# KiCad board register-motherboard.kicad_pcb (continued)
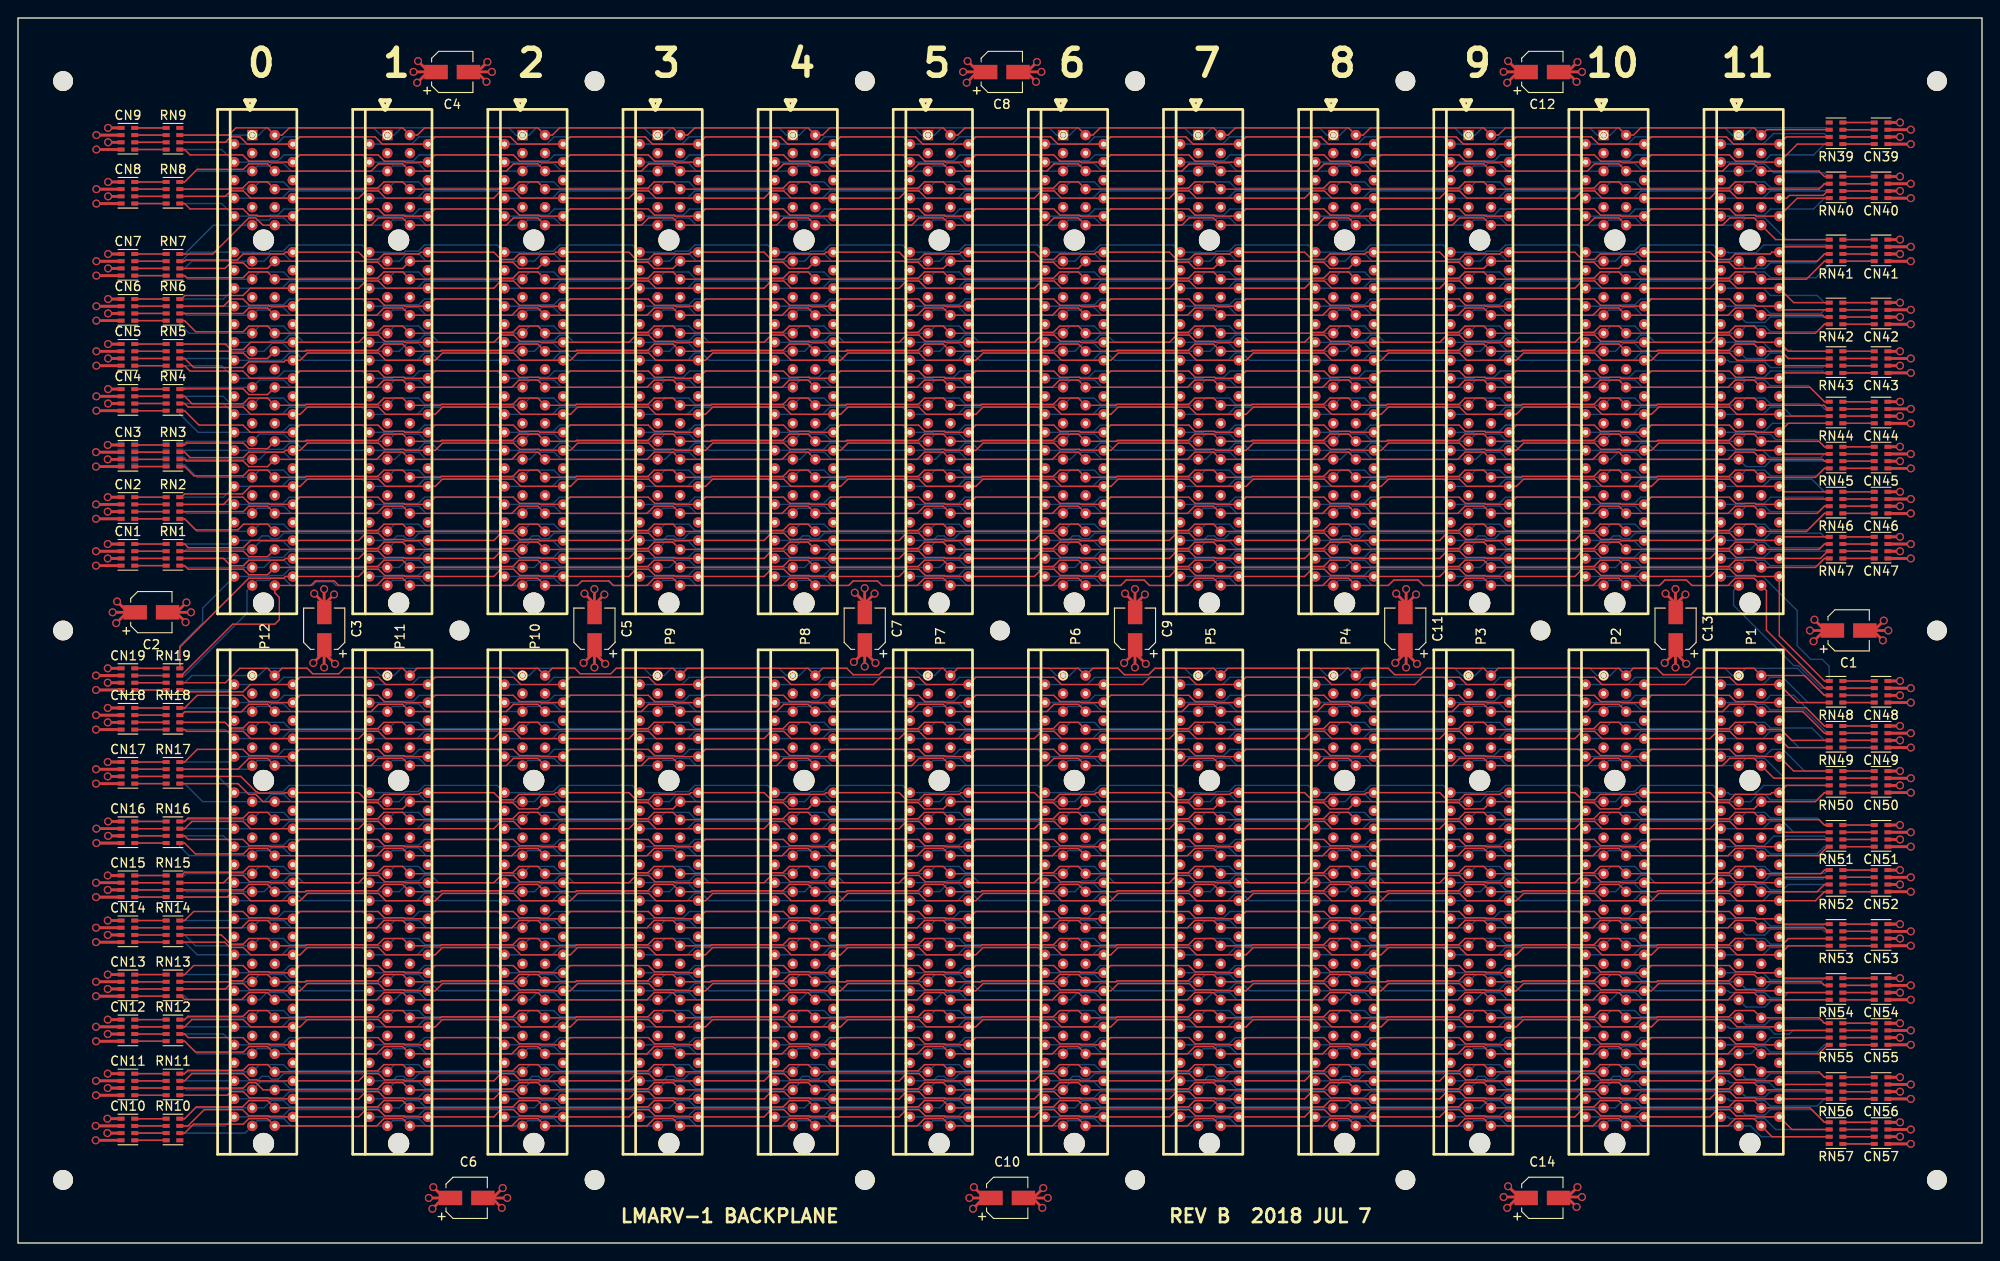
[diagram p0: board, top side]
## Routing (per net, layer and track width the routed paths; a pad name or vN(x,y) marks a point on that pad's centre or on a via; arc(x,y) is an arc through that point) (continued)
/rs2[1]: length 191.2
  Bottom w0.152: RN75.8 200.51,18.4 200.1,18.8 194.49,18.8 193.89,18.2 191.8,18.2 P1.92 188.43,19 188.32,19.11 180.16,19.11 179.47,19.8 176.8,19.8 P2.92 173.43,19 173.32,19.11 165.16,19.11 164.47,19.8 161.8,19.8 P3.92 158.43,19 158.32,19.11 150.16,19.11 149.47,19.8 146.8,19.8 P4.92 143.43,19 143.32,19.11 135.16,19.11 134.47,19.8 131.8,19.8 P5.92 128.43,19 128.32,19.11 120.16,19.11 119.47,19.8 116.8,19.8 P6.92 113.43,19 113.32,19.11 105.16,19.11 104.47,19.8 101.8,19.8 P7.92 98.43,19 98.32,19.11 90.16,19.11 89.47,19.8 86.8,19.8 P8.92 83.43,19 83.32,19.11 75.16,19.11 74.47,19.8 71.8,19.8 P9.92 68.43,19 68.32,19.11 60.16,19.11 59.47,19.8 56.8,19.8 P10.92 53.43,19 53.32,19.11 45.16,19.11 44.47,19.8 41.8,19.8 P11.92 38.43,19 38.32,19.11 30.16,19.11 29.47,19.8 26.8,19.8 P12.92 18.69,19 18.49,18.8 RN30.5
/rs2[2]: length 191.9
  Bottom w0.152: RN74.5 200.51,22 199.7,21.2 194.49,21.2 193.89,21.8 193.11,21.8 192.31,21 P1.90 180.31,21 179.51,21.8 178.11,21.8 177.89,21.57 176.57,21.57 P2.90 165.31,21 164.51,21.8 163.11,21.8 162.89,21.57 161.57,21.57 P3.90 150.31,21 149.51,21.8 148.11,21.8 147.89,21.57 146.57,21.57 P4.90 135.31,21 134.51,21.8 133.11,21.8 132.89,21.57 131.57,21.57 P5.90 120.31,21 119.51,21.8 118.11,21.8 117.89,21.57 116.57,21.57 P6.90 105.31,21 104.51,21.8 103.11,21.8 102.89,21.57 101.57,21.57 P7.90 90.31,21 89.51,21.8 88.11,21.8 87.89,21.57 86.57,21.57 P8.90 75.31,21 74.51,21.8 73.11,21.8 72.89,21.57 71.57,21.57 P9.90 60.31,21 59.51,21.8 58.11,21.8 57.89,21.57 56.57,21.57 P10.90 45.31,21 44.51,21.8 43.11,21.8 42.89,21.57 41.57,21.57 P11.90 30.31,21 29.51,21.8 28.11,21.8 27.89,21.57 26.57,21.57 P12.90 19.89,21 18.49,22.4 RN31.8
/rs2[3]: length 191.2
  Bottom w0.152: RN31.7 22.8,23.2 P12.89 27.88,22 27.99,22.11 29.42,22.11 30.11,22.8 38.2,22.8 P11.89 42.88,22 42.99,22.11 44.42,22.11 45.11,22.8 53.2,22.8 P10.89 57.88,22 57.99,22.11 59.42,22.11 60.11,22.8 68.2,22.8 P9.89 72.88,22 72.99,22.11 74.42,22.11 75.11,22.8 83.2,22.8 P8.89 87.88,22 87.99,22.11 89.42,22.11 90.11,22.8 98.2,22.8 P7.89 102.88,22 102.99,22.11 104.42,22.11 105.11,22.8 113.2,22.8 P6.89 117.88,22 117.99,22.11 119.42,22.11 120.11,22.8 128.2,22.8 P5.89 132.88,22 132.99,22.11 134.42,22.11 135.11,22.8 143.2,22.8 P4.89 147.88,22 147.99,22.11 149.42,22.11 150.11,22.8 158.2,22.8 P3.89 162.88,22 162.99,22.11 164.42,22.11 165.11,22.8 173.2,22.8 P2.89 177.88,22 177.99,22.11 179.42,22.11 180.11,22.8 188.2,22.8 P1.89 192.88,22 192.99,22.11 193.84,22.11 194.53,22.8 200.5,22.8 200.51,22.8 RN74.6
/rs2[4]: length 190.9
  Bottom w0.152: RN74.7 197,23.6 196.6,23.2 195,23.2 194.37,23.83 189.98,23.83 189.81,24 P1.87 188.2,24.8 180.11,24.8 179.31,24 P2.87 173.2,24.8 165.11,24.8 164.31,24 P3.87 158.2,24.8 150.11,24.8 149.31,24 P4.87 143.2,24.8 135.11,24.8 134.31,24 P5.87 128.2,24.8 120.11,24.8 119.31,24 P6.87 113.2,24.8 105.11,24.8 104.31,24 P7.87 98.2,24.8 90.11,24.8 89.31,24 P8.87 83.2,24.8 75.11,24.8 74.31,24 P9.87 68.2,24.8 60.11,24.8 59.31,24 P10.87 53.2,24.8 45.11,24.8 44.31,24 P11.87 38.2,24.8 30.11,24.8 29.31,24 P12.87 RN31.6
/rs2[5]: length 191.2
  Bottom w0.152: RN74.8 200.51,24.4 200.1,24.8 194.49,24.8 193.89,24.2 191.8,24.2 P1.86 188.43,25 188.32,25.11 180.16,25.11 179.47,25.8 176.8,25.8 P2.86 173.43,25 173.32,25.11 165.16,25.11 164.47,25.8 161.8,25.8 P3.86 158.43,25 158.32,25.11 150.16,25.11 149.47,25.8 146.8,25.8 P4.86 143.43,25 143.32,25.11 135.16,25.11 134.47,25.8 131.8,25.8 P5.86 128.43,25 128.32,25.11 120.16,25.11 119.47,25.8 116.8,25.8 P6.86 113.43,25 113.32,25.11 105.16,25.11 104.47,25.8 101.8,25.8 P7.86 98.43,25 98.32,25.11 90.16,25.11 89.47,25.8 86.8,25.8 P8.86 83.43,25 83.32,25.11 75.16,25.11 74.47,25.8 71.8,25.8 P9.86 68.43,25 68.32,25.11 60.16,25.11 59.47,25.8 56.8,25.8 P10.86 53.43,25 53.32,25.11 45.16,25.11 44.47,25.8 41.8,25.8 P11.86 38.43,25 38.32,25.11 30.16,25.11 29.47,25.8 26.8,25.8 P12.86 18.69,25 18.49,24.8 RN31.5
/rs2[6]: length 191.2
  Bottom w0.152: RN32.8 18.49,27.4 18.89,27 P12.84 26.81,27 27.62,27.8 29.51,27.8 30.31,27 P11.84 41.81,27 42.62,27.8 44.51,27.8 45.31,27 P10.84 56.81,27 57.62,27.8 59.51,27.8 60.31,27 P9.84 71.81,27 72.62,27.8 74.51,27.8 75.31,27 P8.84 86.81,27 87.62,27.8 89.51,27.8 90.31,27 P7.84 101.81,27 102.62,27.8 104.51,27.8 105.31,27 P6.84 116.81,27 117.62,27.8 119.51,27.8 120.31,27 P5.84 131.81,27 132.62,27.8 134.51,27.8 135.31,27 P4.84 146.81,27 147.62,27.8 149.51,27.8 150.31,27 P3.84 161.81,27 162.62,27.8 164.51,27.8 165.31,27 P2.84 176.81,27 177.62,27.8 179.51,27.8 180.31,27 P1.84 191.8,26.2 193.89,26.2 194.58,26.89 196.01,26.89 196.12,27 RN73.5
/rs2[7]: length 191.1
  Bottom w0.152: RN73.6 196.49,27.8 195.89,27.2 194.49,27.2 193.89,27.8 190.01,27.8 189.81,28 P1.83 181.69,28 180.89,28.8 180.11,28.8 179.42,28.11 177.49,28.11 177.38,28 P2.83 166.69,28 165.89,28.8 165.11,28.8 164.42,28.11 162.49,28.11 162.38,28 P3.83 151.69,28 150.89,28.8 150.11,28.8 149.42,28.11 147.49,28.11 147.38,28 P4.83 136.69,28 135.89,28.8 135.11,28.8 134.42,28.11 132.49,28.11 132.38,28 P5.83 121.69,28 120.89,28.8 120.11,28.8 119.42,28.11 117.49,28.11 117.38,28 P6.83 106.69,28 105.89,28.8 105.11,28.8 104.42,28.11 102.49,28.11 102.38,28 P7.83 91.69,28 90.89,28.8 90.11,28.8 89.42,28.11 87.49,28.11 87.38,28 P8.83 76.69,28 75.89,28.8 75.11,28.8 74.42,28.11 72.49,28.11 72.38,28 P9.83 61.69,28 60.89,28.8 60.11,28.8 59.42,28.11 57.49,28.11 57.38,28 P10.83 46.69,28 45.89,28.8 45.11,28.8 44.42,28.11 42.49,28.11 42.38,28 P11.83 31.69,28 30.89,28.8 30.11,28.8 29.42,28.11 27.49,28.11 27.38,28 P12.83 23.8,28.2 RN32.7
/rs2[8]: length 191.1
  Bottom w0.152: RN73.7 200.51,28.6 200.3,28.8 194.49,28.8 193.89,28.2 191.8,28.2 P1.82 181.12,29 181.01,29.11 180.2,29.11 179.51,29.8 176.8,29.8 P2.82 166.12,29 166.01,29.11 165.2,29.11 164.51,29.8 161.8,29.8 P3.82 151.12,29 151.01,29.11 150.2,29.11 149.51,29.8 146.8,29.8 P4.82 136.12,29 136.01,29.11 135.2,29.11 134.51,29.8 131.8,29.8 P5.82 121.12,29 121.01,29.11 120.2,29.11 119.51,29.8 116.8,29.8 P6.82 106.12,29 106.01,29.11 105.2,29.11 104.51,29.8 101.8,29.8 P7.82 91.12,29 91.01,29.11 90.2,29.11 89.51,29.8 86.8,29.8 P8.82 76.12,29 76.01,29.11 75.2,29.11 74.51,29.8 71.8,29.8 P9.82 61.12,29 61.01,29.11 60.2,29.11 59.51,29.8 56.8,29.8 P10.82 46.12,29 46.01,29.11 45.2,29.11 44.51,29.8 41.8,29.8 P11.82 31.12,29 31.01,29.11 30.2,29.11 29.51,29.8 26.8,29.8 P12.82 RN32.6
/rs2[9]: length 190.9
  Bottom w0.152: RN32.5 23.8,29.8 P12.81 26.57,30 26.68,30.11 29.42,30.11 30.11,30.8 38.2,30.8 P11.81 41.57,30 41.68,30.11 44.42,30.11 45.11,30.8 53.2,30.8 P10.81 56.57,30 56.68,30.11 59.42,30.11 60.11,30.8 68.2,30.8 P9.81 71.57,30 71.68,30.11 74.42,30.11 75.11,30.8 83.2,30.8 P8.81 86.57,30 86.68,30.11 89.42,30.11 90.11,30.8 98.2,30.8 P7.81 101.57,30 101.68,30.11 104.42,30.11 105.11,30.8 113.2,30.8 P6.81 116.57,30 116.68,30.11 119.42,30.11 120.11,30.8 128.2,30.8 P5.81 131.57,30 131.68,30.11 134.42,30.11 135.11,30.8 143.2,30.8 P4.81 146.57,30 146.68,30.11 149.42,30.11 150.11,30.8 158.2,30.8 P3.81 161.57,30 161.68,30.11 164.42,30.11 165.11,30.8 173.2,30.8 P2.81 176.57,30 176.68,30.11 179.42,30.11 180.11,30.8 188.2,30.8 P1.81 193.69,30 194.49,29.2 200.3,29.2 200.51,29.4 RN73.8
/rs2[10]: length 191.4
  Bottom w0.152: RN33.8 18.49,33.4 19.89,32 P12.79 29.31,32 30.11,32.8 38.2,32.8 P11.79 44.31,32 45.11,32.8 53.2,32.8 P10.79 59.31,32 60.11,32.8 68.2,32.8 P9.79 74.31,32 75.11,32.8 83.2,32.8 P8.79 89.31,32 90.11,32.8 98.2,32.8 P7.79 104.31,32 105.11,32.8 113.2,32.8 P6.79 119.31,32 120.11,32.8 128.2,32.8 P5.79 134.31,32 135.11,32.8 143.2,32.8 P4.79 149.31,32 150.11,32.8 158.2,32.8 P3.79 164.31,32 165.11,32.8 173.2,32.8 P2.79 179.31,32 180.11,32.8 188.2,32.8 P1.79 193.69,32 194.49,32.8 195.96,32.8 196.16,33 RN72.5
/rs2[11]: length 191.8
  Bottom w0.152: RN33.7 18.49,34.2 19.69,33 P12.78 26.8,33.8 29.47,33.8 30.16,33.11 38.32,33.11 38.43,33 P11.78 41.8,33.8 44.47,33.8 45.16,33.11 53.32,33.11 53.43,33 P10.78 56.8,33.8 59.47,33.8 60.16,33.11 68.32,33.11 68.43,33 P9.78 71.8,33.8 74.47,33.8 75.16,33.11 83.32,33.11 83.43,33 P8.78 86.8,33.8 89.47,33.8 90.16,33.11 98.32,33.11 98.43,33 P7.78 101.8,33.8 104.47,33.8 105.16,33.11 113.32,33.11 113.43,33 P6.78 116.8,33.8 119.47,33.8 120.16,33.11 128.32,33.11 128.43,33 P5.78 131.8,33.8 134.47,33.8 135.16,33.11 143.32,33.11 143.43,33 P4.78 146.8,33.8 149.47,33.8 150.16,33.11 158.32,33.11 158.43,33 P3.78 161.8,33.8 164.47,33.8 165.16,33.11 173.32,33.11 173.43,33 P2.78 176.8,33.8 179.47,33.8 180.16,33.11 188.32,33.11 188.43,33 P1.78 191.8,33.8 193.89,33.8 194.52,33.17 195.9,33.17 196.53,33.8 RN72.6
/rs2[12]: length 191.1
  Bottom w0.152: RN72.7 200.51,34.6 200.28,34.83 194.52,34.83 193.89,34.2 191.8,34.2 P1.76 180.31,35 179.51,35.8 176.8,35.8 P2.76 165.31,35 164.51,35.8 161.8,35.8 P3.76 150.31,35 149.51,35.8 146.8,35.8 P4.76 135.31,35 134.51,35.8 131.8,35.8 P5.76 120.31,35 119.51,35.8 116.8,35.8 P6.76 105.31,35 104.51,35.8 101.8,35.8 P7.76 90.31,35 89.51,35.8 86.8,35.8 P8.76 75.31,35 74.51,35.8 71.8,35.8 P9.76 60.31,35 59.51,35.8 56.8,35.8 P10.76 45.31,35 44.51,35.8 41.8,35.8 P11.76 30.31,35 29.51,35.8 26.8,35.8 P12.76 RN33.6
/rs2[13]: length 190.9
  Bottom w0.152: RN33.5 23.8,35.8 P12.75 26.57,36 26.68,36.11 28.84,36.11 29.53,36.8 38.2,36.8 P11.75 41.57,36 41.68,36.11 43.84,36.11 44.53,36.8 53.2,36.8 P10.75 56.57,36 56.68,36.11 58.84,36.11 59.53,36.8 68.2,36.8 P9.75 71.57,36 71.68,36.11 73.84,36.11 74.53,36.8 83.2,36.8 P8.75 86.57,36 86.68,36.11 88.84,36.11 89.53,36.8 98.2,36.8 P7.75 101.57,36 101.68,36.11 103.84,36.11 104.53,36.8 113.2,36.8 P6.75 116.57,36 116.68,36.11 118.84,36.11 119.53,36.8 128.2,36.8 P5.75 131.57,36 131.68,36.11 133.84,36.11 134.53,36.8 143.2,36.8 P4.75 146.57,36 146.68,36.11 148.84,36.11 149.53,36.8 158.2,36.8 P3.75 161.57,36 161.68,36.11 163.84,36.11 164.53,36.8 173.2,36.8 P2.75 176.57,36 176.68,36.11 178.84,36.11 179.53,36.8 188.2,36.8 P1.75 193.69,36 194.49,35.2 200.3,35.2 200.51,35.4 RN72.8
/rs2[14]: length 191
  Bottom w0.152: RN34.8 23.6,38.4 P12.73 29.31,38 30.11,38.8 30.89,38.8 31.69,38 P11.73 44.31,38 45.11,38.8 45.89,38.8 46.69,38 P10.73 59.31,38 60.11,38.8 60.89,38.8 61.69,38 P9.73 74.31,38 75.11,38.8 75.89,38.8 76.69,38 P8.73 89.31,38 90.11,38.8 90.89,38.8 91.69,38 P7.73 104.31,38 105.11,38.8 105.89,38.8 106.69,38 P6.73 119.31,38 120.11,38.8 120.89,38.8 121.69,38 P5.73 134.31,38 135.11,38.8 135.89,38.8 136.69,38 P4.73 149.31,38 150.11,38.8 150.89,38.8 151.69,38 P3.73 164.31,38 165.11,38.8 165.89,38.8 166.69,38 P2.73 179.31,38 180.11,38.8 180.89,38.8 181.69,38 P1.73 193.69,38 194.49,38.8 195.92,38.8 196.12,39 RN71.5
/rs2[15]: length 192.1
  Bottom w0.152: RN71.6 196.49,39.8 195.89,39.2 194.49,39.2 193.89,39.8 191.8,39.8 P1.72 181.12,39 181.01,39.11 180.2,39.11 179.42,39.89 178.2,39.89 177.31,39 P2.72 166.12,39 166.01,39.11 165.2,39.11 164.42,39.89 163.2,39.89 162.31,39 P3.72 151.12,39 151.01,39.11 150.2,39.11 149.42,39.89 148.2,39.89 147.31,39 P4.72 136.12,39 136.01,39.11 135.2,39.11 134.42,39.89 133.2,39.89 132.31,39 P5.72 121.12,39 121.01,39.11 120.2,39.11 119.42,39.89 118.2,39.89 117.31,39 P6.72 106.12,39 106.01,39.11 105.2,39.11 104.42,39.89 103.2,39.89 102.31,39 P7.72 91.12,39 91.01,39.11 90.2,39.11 89.42,39.89 88.2,39.89 87.31,39 P8.72 76.12,39 76.01,39.11 75.2,39.11 74.42,39.89 73.2,39.89 72.31,39 P9.72 61.12,39 61.01,39.11 60.2,39.11 59.42,39.89 58.2,39.89 57.31,39 P10.72 46.12,39 46.01,39.11 45.2,39.11 44.42,39.89 43.2,39.89 42.31,39 P11.72 31.12,39 31.01,39.11 30.2,39.11 29.42,39.89 28.2,39.89 27.31,39 P12.72 18.69,39 18.49,39.2 RN34.7
/rs2[16]: length 194.1
  Bottom w0.152: P12.44 23.6,77.6 RN20.5 ; P12.44 26.57,78 27.07,78.5 27.81,78.5 28.11,78.2 28.89,78.2 29.49,78.8 38.2,78.8 P11.44 41.57,78 42.07,78.5 42.81,78.5 43.11,78.2 43.89,78.2 44.49,78.8 53.2,78.8 P10.44 56.57,78 57.07,78.5 57.81,78.5 58.11,78.2 58.89,78.2 59.49,78.8 68.2,78.8 P9.44 71.57,78 72.07,78.5 72.81,78.5 73.11,78.2 73.89,78.2 74.49,78.8 83.2,78.8 P8.44 86.57,78 87.07,78.5 87.81,78.5 88.11,78.2 88.89,78.2 89.49,78.8 98.2,78.8 P7.44 101.57,78 102.07,78.5 102.81,78.5 103.11,78.2 103.89,78.2 104.49,78.8 113.2,78.8 P6.44 116.57,78 117.07,78.5 117.81,78.5 118.11,78.2 118.89,78.2 119.49,78.8 128.2,78.8 P5.44 131.57,78 132.07,78.5 132.81,78.5 133.11,78.2 133.89,78.2 134.49,78.8 143.2,78.8 P4.44 146.57,78 147.07,78.5 147.81,78.5 148.11,78.2 148.89,78.2 149.49,78.8 158.2,78.8 P3.44 161.57,78 162.07,78.5 162.81,78.5 163.11,78.2 163.89,78.2 164.49,78.8 173.2,78.8 P2.44 176.57,78 177.07,78.5 177.81,78.5 178.11,78.2 178.89,78.2 179.49,78.8 188.2,78.8 P1.44 192.88,78 192.99,78.11 193.8,78.11 194.49,78.8 200.1,78.8 200.51,78.4 RN66.8 ; P12.44 23.8,77.8
/rs2[17]: length 192.3
  Bottom w0.152: RN65.5 200.51,81 198.68,79.17 194.52,79.17 193.89,79.8 191.8,79.8 P1.43 188.43,79 188.32,79.11 180.16,79.11 179.47,79.8 176.8,79.8 P2.43 173.43,79 173.32,79.11 165.16,79.11 164.47,79.8 161.8,79.8 P3.43 158.43,79 158.32,79.11 150.16,79.11 149.47,79.8 146.8,79.8 P4.43 143.43,79 143.32,79.11 135.16,79.11 134.47,79.8 131.8,79.8 P5.43 128.43,79 128.32,79.11 120.16,79.11 119.47,79.8 116.8,79.8 P6.43 113.43,79 113.32,79.11 105.16,79.11 104.47,79.8 101.8,79.8 P7.43 98.43,79 98.32,79.11 90.16,79.11 89.47,79.8 86.8,79.8 P8.43 83.43,79 83.32,79.11 75.16,79.11 74.47,79.8 71.8,79.8 P9.43 68.43,79 68.32,79.11 60.16,79.11 59.47,79.8 56.8,79.8 P10.43 53.43,79 53.32,79.11 45.16,79.11 44.47,79.8 41.8,79.8 P11.43 38.43,79 38.32,79.11 30.16,79.11 29.47,79.8 26.8,79.8 P12.43 19.89,79 18.49,80.4 RN21.8
/rs2[18]: length 191.3
  Bottom w0.152: RN21.7 18.49,81.2 18.69,81 P12.41 26.57,81.57 27.89,81.57 28.11,81.8 29.51,81.8 30.31,81 P11.41 41.57,81.57 42.89,81.57 43.11,81.8 44.51,81.8 45.31,81 P10.41 56.57,81.57 57.89,81.57 58.11,81.8 59.51,81.8 60.31,81 P9.41 71.57,81.57 72.89,81.57 73.11,81.8 74.51,81.8 75.31,81 P8.41 86.57,81.57 87.89,81.57 88.11,81.8 89.51,81.8 90.31,81 P7.41 101.57,81.57 102.89,81.57 103.11,81.8 104.51,81.8 105.31,81 P6.41 116.57,81.57 117.89,81.57 118.11,81.8 119.51,81.8 120.31,81 P5.41 131.57,81.57 132.89,81.57 133.11,81.8 134.51,81.8 135.31,81 P4.41 146.57,81.57 147.89,81.57 148.11,81.8 149.51,81.8 150.31,81 P3.41 161.57,81.57 162.89,81.57 163.11,81.8 164.51,81.8 165.31,81 P2.41 176.57,81.57 177.89,81.57 178.11,81.8 179.51,81.8 180.31,81 P1.41 191.8,81.8 193.89,81.8 194.49,81.2 199.9,81.2 200.51,81.8 RN65.6
/rs2[19]: length 190.8
  Bottom w0.152: RN21.6 P12.40 27.88,82 27.99,82.11 29.42,82.11 30.11,82.8 38.2,82.8 P11.40 42.88,82 42.99,82.11 44.42,82.11 45.11,82.8 53.2,82.8 P10.40 57.88,82 57.99,82.11 59.42,82.11 60.11,82.8 68.2,82.8 P9.40 72.88,82 72.99,82.11 74.42,82.11 75.11,82.8 83.2,82.8 P8.40 87.88,82 87.99,82.11 89.42,82.11 90.11,82.8 98.2,82.8 P7.40 102.88,82 102.99,82.11 104.42,82.11 105.11,82.8 113.2,82.8 P6.40 117.88,82 117.99,82.11 119.42,82.11 120.11,82.8 128.2,82.8 P5.40 132.88,82 132.99,82.11 134.42,82.11 135.11,82.8 143.2,82.8 P4.40 147.88,82 147.99,82.11 149.42,82.11 150.11,82.8 158.2,82.8 P3.40 162.88,82 162.99,82.11 164.42,82.11 165.11,82.8 173.2,82.8 P2.40 177.88,82 177.99,82.11 179.42,82.11 180.11,82.8 188.2,82.8 P1.40 191.57,82 191.68,82.11 193.84,82.11 194.53,82.8 200.3,82.8 200.51,82.6 RN65.7
/rs2[20]: length 191.8
  Bottom w0.152: RN21.5 22.8,82.8 P12.38 29.31,84 30.11,84.8 38.2,84.8 P11.38 44.31,84 45.11,84.8 53.2,84.8 P10.38 59.31,84 60.11,84.8 68.2,84.8 P9.38 74.31,84 75.11,84.8 83.2,84.8 P8.38 89.31,84 90.11,84.8 98.2,84.8 P7.38 104.31,84 105.11,84.8 113.2,84.8 P6.38 119.31,84 120.11,84.8 128.2,84.8 P5.38 134.31,84 135.11,84.8 143.2,84.8 P4.38 149.31,84 150.11,84.8 158.2,84.8 P3.38 164.31,84 165.11,84.8 173.2,84.8 P2.38 179.31,84 180.11,84.8 188.2,84.8 P1.38 193.69,84 194.49,84.8 199.1,84.8 200.51,83.4 RN65.8
/rs2[21]: length 191.9
  Bottom w0.152: RN22.8 18.49,86.4 19.89,85 P12.37 26.8,85.8 29.47,85.8 30.16,85.11 38.32,85.11 38.43,85 P11.37 41.8,85.8 44.47,85.8 45.16,85.11 53.32,85.11 53.43,85 P10.37 56.8,85.8 59.47,85.8 60.16,85.11 68.32,85.11 68.43,85 P9.37 71.8,85.8 74.47,85.8 75.16,85.11 83.32,85.11 83.43,85 P8.37 86.8,85.8 89.47,85.8 90.16,85.11 98.32,85.11 98.43,85 P7.37 101.8,85.8 104.47,85.8 105.16,85.11 113.32,85.11 113.43,85 P6.37 116.8,85.8 119.47,85.8 120.16,85.11 128.32,85.11 128.43,85 P5.37 131.8,85.8 134.47,85.8 135.16,85.11 143.32,85.11 143.43,85 P4.37 146.8,85.8 149.47,85.8 150.16,85.11 158.32,85.11 158.43,85 P3.37 161.8,85.8 164.47,85.8 165.16,85.11 173.32,85.11 173.43,85 P2.37 176.8,85.8 179.47,85.8 180.16,85.11 188.32,85.11 188.43,85 P1.37 191.8,85.8 193.89,85.8 194.52,85.17 199.68,85.17 200.51,86 RN64.5
/rs2[22]: length 191.1
  Bottom w0.152: RN64.6 200.51,86.8 200.48,86.83 194.52,86.83 193.89,86.2 191.8,86.2 P1.35 180.31,87 179.51,87.8 177.62,87.8 176.81,87 P2.35 165.31,87 164.51,87.8 162.62,87.8 161.81,87 P3.35 150.31,87 149.51,87.8 147.62,87.8 146.81,87 P4.35 135.31,87 134.51,87.8 132.62,87.8 131.81,87 P5.35 120.31,87 119.51,87.8 117.62,87.8 116.81,87 P6.35 105.31,87 104.51,87.8 102.62,87.8 101.81,87 P7.35 90.31,87 89.51,87.8 87.62,87.8 86.81,87 P8.35 75.31,87 74.51,87.8 72.62,87.8 71.81,87 P9.35 60.31,87 59.51,87.8 57.62,87.8 56.81,87 P10.35 45.31,87 44.51,87.8 42.62,87.8 41.81,87 P11.35 30.31,87 29.51,87.8 27.62,87.8 26.81,87 P12.35 18.69,87 18.49,87.2 RN22.7
/rs2[23]: length 190.9
  Bottom w0.152: RN64.7 200.51,87.6 200.1,87.2 194.49,87.2 193.69,88 P1.34 181.69,88 180.89,88.8 180.11,88.8 179.42,88.11 177.49,88.11 177.38,88 P2.34 166.69,88 165.89,88.8 165.11,88.8 164.42,88.11 162.49,88.11 162.38,88 P3.34 151.69,88 150.89,88.8 150.11,88.8 149.42,88.11 147.49,88.11 147.38,88 P4.34 136.69,88 135.89,88.8 135.11,88.8 134.42,88.11 132.49,88.11 132.38,88 P5.34 121.69,88 120.89,88.8 120.11,88.8 119.42,88.11 117.49,88.11 117.38,88 P6.34 106.69,88 105.89,88.8 105.11,88.8 104.42,88.11 102.49,88.11 102.38,88 P7.34 91.69,88 90.89,88.8 90.11,88.8 89.42,88.11 87.49,88.11 87.38,88 P8.34 76.69,88 75.89,88.8 75.11,88.8 74.42,88.11 72.49,88.11 72.38,88 P9.34 61.69,88 60.89,88.8 60.11,88.8 59.42,88.11 57.49,88.11 57.38,88 P10.34 46.69,88 45.89,88.8 45.11,88.8 44.42,88.11 42.49,88.11 42.38,88 P11.34 31.69,88 30.89,88.8 30.11,88.8 29.42,88.11 27.49,88.11 27.38,88 P12.34 RN22.6
/rs2[24]: length 191.4
  Bottom w0.152: RN22.5 18.49,88.8 18.69,89 P12.33 26.8,89.8 29.51,89.8 30.2,89.11 31.01,89.11 31.12,89 P11.33 41.8,89.8 44.51,89.8 45.2,89.11 46.01,89.11 46.12,89 P10.33 56.8,89.8 59.51,89.8 60.2,89.11 61.01,89.11 61.12,89 P9.33 71.8,89.8 74.51,89.8 75.2,89.11 76.01,89.11 76.12,89 P8.33 86.8,89.8 89.51,89.8 90.2,89.11 91.01,89.11 91.12,89 P7.33 101.8,89.8 104.51,89.8 105.2,89.11 106.01,89.11 106.12,89 P6.33 116.8,89.8 119.51,89.8 120.2,89.11 121.01,89.11 121.12,89 P5.33 131.8,89.8 134.51,89.8 135.2,89.11 136.01,89.11 136.12,89 P4.33 146.8,89.8 149.51,89.8 150.2,89.11 151.01,89.11 151.12,89 P3.33 161.8,89.8 164.51,89.8 165.2,89.11 166.01,89.11 166.12,89 P2.33 176.8,89.8 179.51,89.8 180.2,89.11 181.01,89.11 181.12,89 P1.33 191.8,89.8 194.51,89.8 195.11,89.2 199.71,89.2 200.51,88.4 RN64.8
/rs2[25]: length 192
  Bottom w0.152: RN63.5 194.73,91 193.84,90.11 191.68,90.11 191.57,90 P1.32 188.2,90.8 180.11,90.8 179.42,90.11 176.68,90.11 176.57,90 P2.32 173.2,90.8 165.11,90.8 164.42,90.11 161.68,90.11 161.57,90 P3.32 158.2,90.8 150.11,90.8 149.42,90.11 146.68,90.11 146.57,90 P4.32 143.2,90.8 135.11,90.8 134.42,90.11 131.68,90.11 131.57,90 P5.32 128.2,90.8 120.11,90.8 119.42,90.11 116.68,90.11 116.57,90 P6.32 113.2,90.8 105.11,90.8 104.42,90.11 101.68,90.11 101.57,90 P7.32 98.2,90.8 90.11,90.8 89.42,90.11 86.68,90.11 86.57,90 P8.32 83.2,90.8 75.11,90.8 74.42,90.11 71.68,90.11 71.57,90 P9.32 68.2,90.8 60.11,90.8 59.42,90.11 56.68,90.11 56.57,90 P10.32 53.2,90.8 45.11,90.8 44.42,90.11 41.68,90.11 41.57,90 P11.32 38.2,90.8 30.11,90.8 29.42,90.11 26.68,90.11 26.57,90 P12.32 19.99,90 17.96,92.03 RN23.8
/rs2[26]: length 191.6
  Bottom w0.152: RN63.6 196.89,91.8 195.89,92.8 194.49,92.8 193.69,92 P1.30 188.2,92.8 180.11,92.8 179.31,92 P2.30 173.2,92.8 165.11,92.8 164.31,92 P3.30 158.2,92.8 150.11,92.8 149.31,92 P4.30 143.2,92.8 135.11,92.8 134.31,92 P5.30 128.2,92.8 120.11,92.8 119.31,92 P6.30 113.2,92.8 105.11,92.8 104.31,92 P7.30 98.2,92.8 90.11,92.8 89.31,92 P8.30 83.2,92.8 75.11,92.8 74.31,92 P9.30 68.2,92.8 60.11,92.8 59.31,92 P10.30 53.2,92.8 45.11,92.8 44.31,92 P11.30 38.2,92.8 30.11,92.8 29.31,92 P12.30 22.8,93.2 RN23.7
/rs2[27]: length 191.6
  Bottom w0.152: RN63.7 200.51,92.6 199.94,93.17 194.52,93.17 193.89,93.8 191.8,93.8 P1.29 188.43,93 188.32,93.11 180.16,93.11 179.47,93.8 176.8,93.8 P2.29 173.43,93 173.32,93.11 165.16,93.11 164.47,93.8 161.8,93.8 P3.29 158.43,93 158.32,93.11 150.16,93.11 149.47,93.8 146.8,93.8 P4.29 143.43,93 143.32,93.11 135.16,93.11 134.47,93.8 131.8,93.8 P5.29 128.43,93 128.32,93.11 120.16,93.11 119.47,93.8 116.8,93.8 P6.29 113.43,93 113.32,93.11 105.16,93.11 104.47,93.8 101.8,93.8 P7.29 98.43,93 98.32,93.11 90.16,93.11 89.47,93.8 86.8,93.8 P8.29 83.43,93 83.32,93.11 75.16,93.11 74.47,93.8 71.8,93.8 P9.29 68.43,93 68.32,93.11 60.16,93.11 59.47,93.8 56.8,93.8 P10.29 53.43,93 53.32,93.11 45.16,93.11 44.47,93.8 41.8,93.8 P11.29 38.43,93 38.32,93.11 30.16,93.11 29.47,93.8 26.8,93.8 P12.29 23.77,93 22.77,94 RN23.6
/rs2[28]: length 191.8
  Bottom w0.152: RN23.5 18.12,94.8 18.33,95 P12.27 26.8,95.8 29.51,95.8 30.31,95 P11.27 41.8,95.8 44.51,95.8 45.31,95 P10.27 56.8,95.8 59.51,95.8 60.31,95 P9.27 71.8,95.8 74.51,95.8 75.31,95 P8.27 86.8,95.8 89.51,95.8 90.31,95 P7.27 101.8,95.8 104.51,95.8 105.31,95 P6.27 116.8,95.8 119.51,95.8 120.31,95 P5.27 131.8,95.8 134.51,95.8 135.31,95 P4.27 146.8,95.8 149.51,95.8 150.31,95 P3.27 161.8,95.8 164.51,95.8 165.31,95 P2.27 176.8,95.8 179.51,95.8 180.31,95 P1.27 191.8,95.8 193.89,95.8 194.49,95.2 198.71,95.2 200.51,93.4 RN63.8
/rs2[29]: length 191.4
  Bottom w0.152: RN24.8 22.6,97.4 P12.26 26.57,96 26.68,96.11 28.84,96.11 29.53,96.8 38.2,96.8 P11.26 41.57,96 41.68,96.11 43.84,96.11 44.53,96.8 53.2,96.8 P10.26 56.57,96 56.68,96.11 58.84,96.11 59.53,96.8 68.2,96.8 P9.26 71.57,96 71.68,96.11 73.84,96.11 74.53,96.8 83.2,96.8 P8.26 86.57,96 86.68,96.11 88.84,96.11 89.53,96.8 98.2,96.8 P7.26 101.57,96 101.68,96.11 103.84,96.11 104.53,96.8 113.2,96.8 P6.26 116.57,96 116.68,96.11 118.84,96.11 119.53,96.8 128.2,96.8 P5.26 131.57,96 131.68,96.11 133.84,96.11 134.53,96.8 143.2,96.8 P4.26 146.57,96 146.68,96.11 148.84,96.11 149.53,96.8 158.2,96.8 P3.26 161.57,96 161.68,96.11 163.84,96.11 164.53,96.8 173.2,96.8 P2.26 176.57,96 176.68,96.11 178.84,96.11 179.53,96.8 188.2,96.8 P1.26 191.57,96 191.68,96.11 193.84,96.11 194.53,96.8 200.3,96.8 200.51,96.6 RN62.5
/rs2[30]: length 190.9
  Bottom w0.152: RN24.7 23.8,98.2 P12.24 29.31,98 30.11,98.8 30.89,98.8 31.69,98 P11.24 44.31,98 45.11,98.8 45.89,98.8 46.69,98 P10.24 59.31,98 60.11,98.8 60.89,98.8 61.69,98 P9.24 74.31,98 75.11,98.8 75.89,98.8 76.69,98 P8.24 89.31,98 90.11,98.8 90.89,98.8 91.69,98 P7.24 104.31,98 105.11,98.8 105.89,98.8 106.69,98 P6.24 119.31,98 120.11,98.8 120.89,98.8 121.69,98 P5.24 134.31,98 135.11,98.8 135.89,98.8 136.69,98 P4.24 149.31,98 150.11,98.8 150.89,98.8 151.69,98 P3.24 164.31,98 165.11,98.8 165.89,98.8 166.69,98 P2.24 179.31,98 180.11,98.8 180.89,98.8 181.69,98 P1.24 189.81,98 189.98,97.83 193.9,97.83 194.53,97.2 200.3,97.2 200.51,97.4 RN62.6
/rs2[31]: length 192
  Bottom w0.152: RN24.6 P12.23 27.31,99 28.2,99.89 29.42,99.89 30.2,99.11 31.01,99.11 31.12,99 P11.23 42.31,99 43.2,99.89 44.42,99.89 45.2,99.11 46.01,99.11 46.12,99 P10.23 57.31,99 58.2,99.89 59.42,99.89 60.2,99.11 61.01,99.11 61.12,99 P9.23 72.31,99 73.2,99.89 74.42,99.89 75.2,99.11 76.01,99.11 76.12,99 P8.23 87.31,99 88.2,99.89 89.42,99.89 90.2,99.11 91.01,99.11 91.12,99 P7.23 102.31,99 103.2,99.89 104.42,99.89 105.2,99.11 106.01,99.11 106.12,99 P6.23 117.31,99 118.2,99.89 119.42,99.89 120.2,99.11 121.01,99.11 121.12,99 P5.23 132.31,99 133.2,99.89 134.42,99.89 135.2,99.11 136.01,99.11 136.12,99 P4.23 147.31,99 148.2,99.89 149.42,99.89 150.2,99.11 151.01,99.11 151.12,99 P3.23 162.31,99 163.2,99.89 164.42,99.89 165.2,99.11 166.01,99.11 166.12,99 P2.23 177.31,99 178.2,99.89 179.42,99.89 180.2,99.11 181.01,99.11 181.12,99 P1.23 191.8,98.2 193.89,98.2 194.49,98.8 195.89,98.8 196.49,98.2 RN62.7
/rs2a[0]: length 207.5
  Top w0.152: RN19.7 18.12,63 23.83,68.7 28.5,68.7 29,69.2 29,71.69 28.5,72.19 P12.147 32.5,73 33,73.5 35.1,73.5 35.6,73 39.81,73 40.61,73.8 42.7,73.8 P11.147 54.81,73 55.61,73.8 57.7,73.8 P10.147 62.1,73 62.6,73.5 65.6,73.5 66.1,73 69.81,73 70.61,73.8 72.7,73.8 P9.147 84.81,73 85.61,73.8 87.7,73.8 P8.147 92.2,73 92.7,73.5 95.4,73.5 95.9,73 99.81,73 100.61,73.8 102.7,73.8 P7.147 114.81,73 115.61,73.8 117.7,73.8 P6.147 122.4,73 123,73.6 125,73.6 125.6,73 129.81,73 130.61,73.8 132.7,73.8 P5.147 144.81,73 145.61,73.8 147.7,73.8 P4.147 152.1,73 152.7,73.6 155.4,73.6 156,73 159.81,73 160.61,73.8 162.7,73.8 P3.147 174.81,73 175.61,73.8 177.7,73.8 P2.147 182.2,73 182.8,73.6 185.2,73.6 185.8,73 189.81,73 190.61,73.8 192.7,73.8 P1.147 194.07,72.43 194.07,68.03 200.51,61.6 RN48.6
